# KiCad board 6502.kicad_pcb (continued)
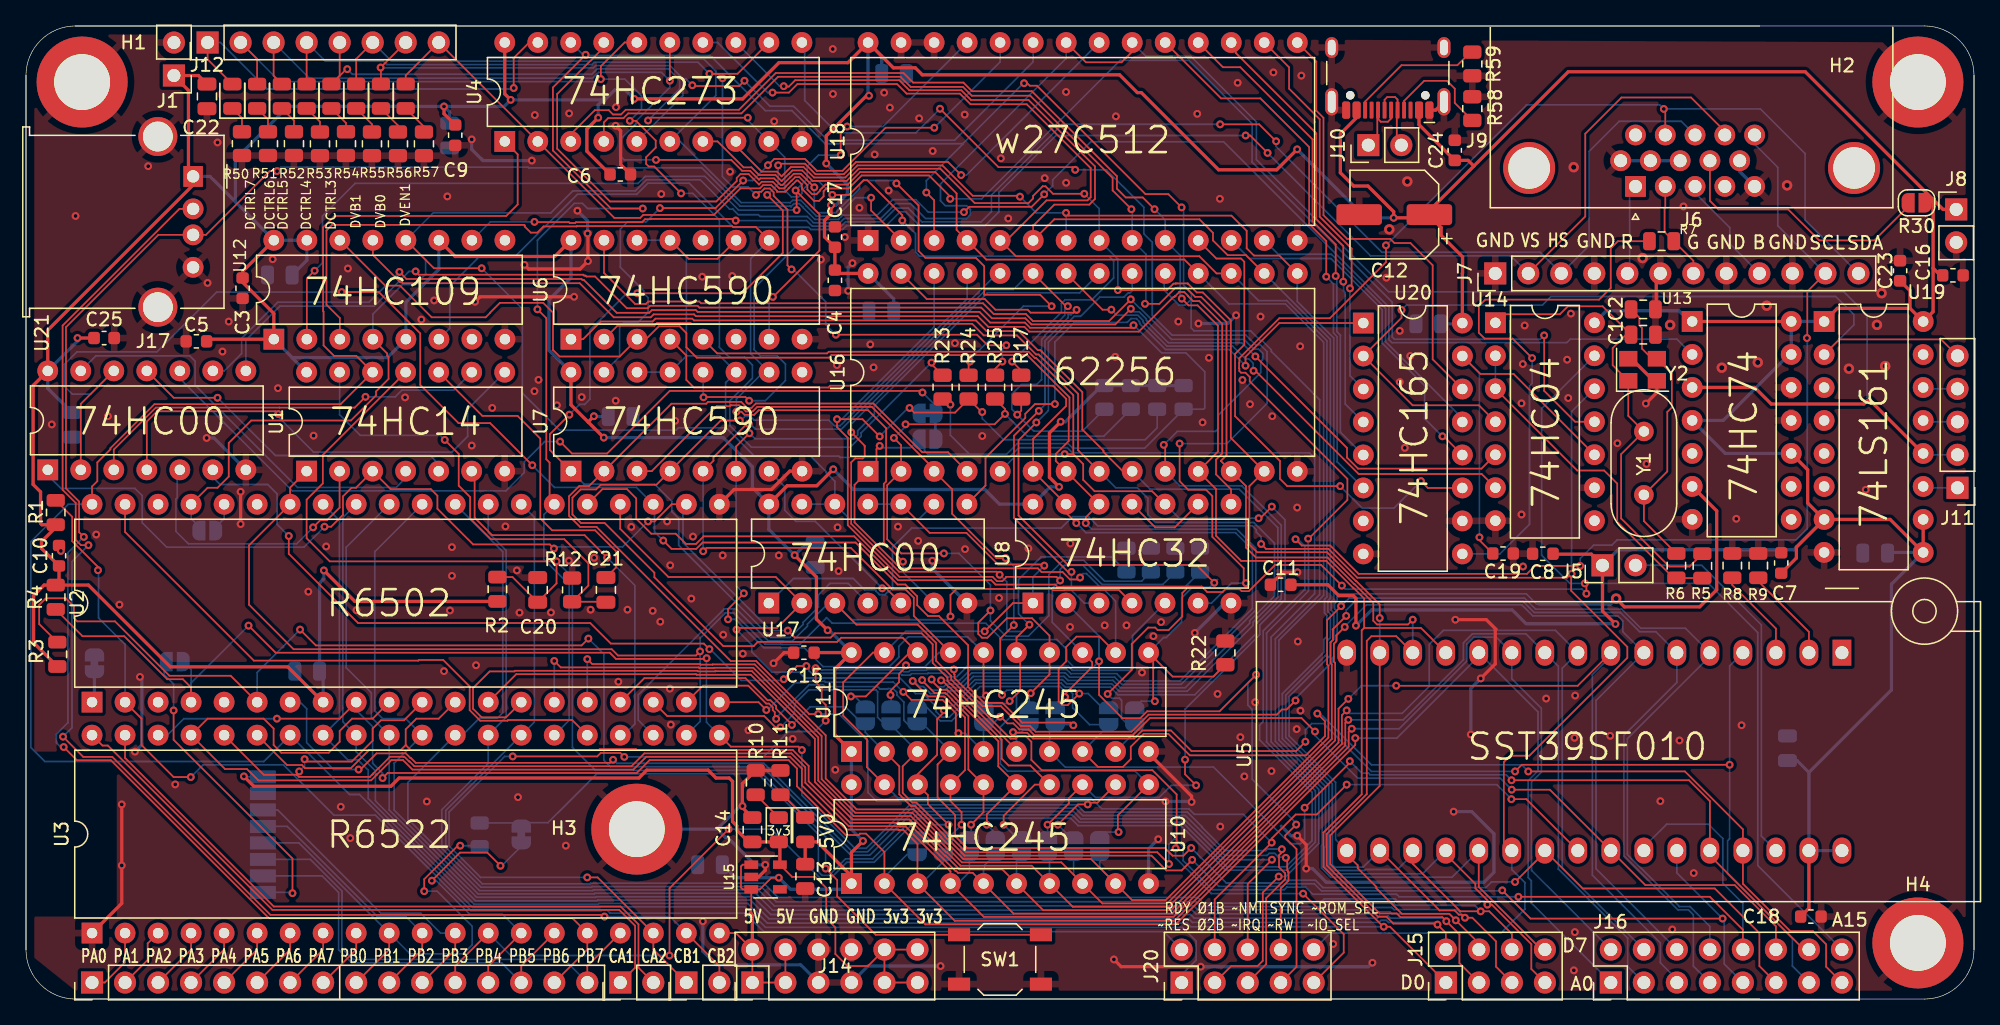
[diagram p0: board, top side]
## Nets
+3V3: 3v3.2 C14.1 J14.9 J14.10 J14.11 J14.12 U9.2 U15.5
+5V: 5V0.2 C3.1 C4.1 C5.1 C6.1 C7.1 C8.1 C9.1 C10.1 C11.1 C12.1 C13.1 C15.1 C16.1 C17.1 C18.1 C22.1 C23.1 C24.1 C25.1 C26.1 C27.1 C28.1 C29.1 C30.1 C31.1 C32.1 C33.1 C34.1 C35.1 C36.1 C37.1 J1.1 J5.1 J8.1 J9.A4 J9.A9 J9.B4 J9.B9 J14.1 J14.2 J14.3 J14.4 J17.1 R1.1 R2.1 R3.1 R4.1 R18.1 R19.1 R20.1 R21.1 R30.1 U1.14 U2.8 U3.20 U4.20 U5.31 U5.32 U6.16 U7.16 U8.14 U10.1 U10.20 U11.1 U11.20 U12.1 U12.5 U12.11 U12.15 U12.16 U13.1 U13.4 U13.10 U13.13 U13.14 U14.14 U15.1 U15.3 U16.28 U17.14 U18.28 U19.1 U19.7 U19.9 U19.10 U19.16 U20.16 U21.14
GND: C1.2 C2.2 C3.2 C4.2 C5.2 C6.2 C7.2 C8.2 C9.2 C10.2 C11.2 C12.2 C13.2 C14.2 C15.2 C16.2 C17.2 C18.2 C19.2 C20.2 C22.2 C23.2 C24.2 C25.2 C26.2 C27.2 C28.2 C29.2 C30.2 C31.2 C32.2 C33.2 C34.2 C35.2 C36.2 C37.2 H1.1 H2.1 H3.1 H4.1 J1.2 J6.5 J6.6 J6.7 J6.8 J6.10 J7.1 J7.4 J7.6 J7.8 J7.10 J8.2 J9.A1 J9.A12 J9.B1 J9.B12 J9.S1 J14.5 J14.6 J14.7 J14.8 J17.4 J17.5 R8.2 R9.2 R10.2 R11.2 R12.2 R13.1 R14.1 R15.1 R16.1 R22.1 R28.1 R50.1 R51.1 R52.1 R53.1 R54.1 R55.1 R56.1 R57.1 R58.2 R59.2 SW1.1 U1.7 U2.21 U3.1 U4.10 U5.16 U6.8 U6.12 U7.8 U8.7 U9.1 U10.10 U11.10 U12.8 U13.7 U13.11 U13.12 U14.7 U14.9 U15.2 U16.14 U17.7 U18.1 U18.14 U18.26 U18.27 U19.8 U20.8 U20.10 U21.7 Y2.2 Y2.4
1Mhz: J11.1 U19.11
2Mhz: J11.2 J20.3 R47.1 U2.37 U6.11 U6.13 U6.14 U7.11 U7.13 U7.14 U12.4 U12.12 U13.3 U17.9 U17.12 U17.13 U18.20 U18.22 U19.12
4Mhz: J11.3 U19.13
8Mhz: J11.4 U19.14
16Mhz: J11.5 U14.4 U19.2 U20.2
A0: J16.1 R31.1 U2.9 U3.38 U5.12 U10.2
A1: J16.2 R32.1 U2.10 U3.37 U5.11 U10.3
A2: J16.3 R33.1 U2.11 U3.36 U5.10 U10.4
A3: J16.4 R34.1 U2.12 U3.35 U5.9 U10.5
A4: J16.5 R35.1 U2.13 U5.8 U10.6
A5: J16.6 R36.1 U2.14 U5.7 U10.7
A6: J16.7 R37.1 U2.15 U5.6 U10.8
A7: J16.8 R38.1 U2.16 U5.5 U10.9
A8: J16.9 R39.1 U2.17 U5.27 U11.2
A9: J16.10 R40.1 U2.18 U5.26 U11.3
A10: J16.11 R41.1 U2.19 U5.23 U11.4
A11: J16.12 R42.1 U2.20 U5.25 U11.5
A12: J16.13 R43.1 U1.3 U2.22 U5.4 U11.6 U21.1
A13: J16.14 R44.1 U2.23 U5.28 U11.7 U21.2 U21.12
A14: J16.15 R45.1 U2.24 U5.29 U11.8 U17.2
A15: J16.16 R46.1 U2.25 U11.9 U14.13
B: J6.3 J7.9
C0: R31.2 U6.15 U10.18 U16.10
C1: R32.2 U6.1 U10.17 U16.9
C2: R33.2 U6.2 U10.16 U16.8
C3: R34.2 U6.3 U8.12 U10.15 U12.14 U16.7
C4: R35.2 U6.4 U8.13 U10.14 U16.6
C5: R36.2 U6.5 U8.10 U10.13 U16.5
C7: U6.7 U12.2 U18.25
C8: U7.15 U18.24
C9: U7.1 U17.4 U18.21
C10: R37.2 U7.2 U10.12 U16.4
C11: R38.2 U7.3 U10.11 U16.3
C12: R39.2 U7.4 U11.18 U16.25
C13: R40.2 U7.5 U11.17 U16.24
C14: R41.2 U7.6 U11.16 U16.21
C15: U7.7 U17.5
CB1: J4.1 U3.18 U13.6
CB2: J4.2 J17.2 U3.19
CTRL3: DCTRL3.2 J12.5 R17.1 U4.9
CTRL4: DCTRL4.2 J12.4 R25.1 U4.12
CTRL5: DCTRL5.2 J12.3 R24.1 U4.15
CTRL6: DCTRL6.2 J12.2 R23.1 U4.16
CTRL7: DCTRL7.2 J12.1 U4.19
D0: J15.1 U2.33 U3.33 U4.3 U5.13 U16.11 U18.10
D1: J15.2 U2.32 U3.32 U4.4 U5.14 U16.12 U18.9
D2: J15.3 U2.31 U3.31 U4.7 U5.15 U16.13 U18.8
D3: J15.4 U2.30 U3.30 U4.8 U5.17 U16.15 U18.7
D4: J15.5 U2.29 U3.29 U4.13 U5.18 U16.16 U18.6
D5: J15.6 U2.28 U3.28 U4.14 U5.19 U16.17 U18.5
D6: J15.7 U2.27 U3.27 U4.17 U5.20 U16.18 U18.4
D7: J15.8 U2.26 U3.26 U4.18 U5.21 U16.19 U18.3
G: J6.2 J7.7 R7.1
HSYNC: J6.13 J7.3 U12.10
MISO: J2.14 U3.15 U9.7
MOSI: J2.16 U3.17 U9.6
PB6: J2.15 J17.3 U3.16 U13.2
R: J6.1 J7.5
RDY: J20.2 R1.2 U2.2
RF_CE: J2.11 U3.12 U9.3
RF_CS: J2.10 U3.11 U9.4
SCL_VGA: J6.15 J7.11 R48.1 R49.2
SDA_VGA: J2.12 J6.12 J7.12 U3.13
SPI_CLK: J2.9 R49.1 U3.10 U9.5
SYNC: J20.8 U2.7
VB0: DVB0.2 J12.7 U4.5 U18.23
VB1: DVB1.2 J12.6 U4.6 U18.2
VEN: DVEN1.2 J12.8 U4.2 U14.11
VIACS1: U1.6 U3.24
VSYNC: J6.14 J7.2 U12.6
~{IO_SEL}: J20.9 U3.23 U8.4 U17.3
~{IRQ}: J20.5 R4.2 R29.2 U2.4 U3.21
~{NMI}: J20.6 R3.2 U2.6
~{RES}: J20.1 U1.12 U2.40 U3.34 U4.1
~{ROM_SEL}: J20.10 U5.22 U14.12 U17.1
~{RW}: J20.7 U1.1 U2.34 U3.22 U8.2
~{VCRST}: U6.10 U7.10 U12.3 U17.6
Ø1: U2.3
Ø1B: J20.4 U5.24 U8.1 U10.19 U11.19 U17.10 U17.11
Ø2: U2.39 U3.25
Net-(3v3-K): 3v3.1 R10.1
Net-(5V0-K): 5V0.1 R11.1
Net-(C1-Pad1): C1.1 R5.2 U14.1 Y1.1 Y2.1
Net-(C2-Pad1): C2.1 R6.2 Y1.2 Y2.3
Net-(C20-Pad1): C20.1 R2.2 SW1.2 U1.11
Net-(C21-Pad1): C21.1 R12.1 U1.13
Net-(C21-Pad2): C21.2 U1.10
Net-(DCTRL3-K): DCTRL3.1 R54.2
Net-(DCTRL4-K): DCTRL4.1 R53.2
Net-(DCTRL5-K): DCTRL5.1 R52.2
Net-(DCTRL6-K): DCTRL6.1 R51.2
Net-(DCTRL7-K): DCTRL7.1 R50.2
Net-(DVB0-K): DVB0.1 R56.2
Net-(DVB1-K): DVB1.1 R55.2
Net-(DVEN1-K): DVEN1.1 R57.2
Net-(J2-Pin_1): J2.1 U3.2
Net-(J2-Pin_2): J2.2 U3.3
Net-(J2-Pin_3): J2.3 U3.4
Net-(J2-Pin_4): J2.4 U3.5
Net-(J2-Pin_5): J2.5 U3.6
Net-(J2-Pin_6): J2.6 U3.7
Net-(J2-Pin_7): J2.7 U3.8
Net-(J2-Pin_8): J2.8 U3.9
Net-(J2-Pin_13): J2.13 R48.2 U3.14
Net-(J3-Pin_1): J3.1 U3.40
Net-(J3-Pin_2): J3.2 U3.39
Net-(J5-Pin_2): J5.2 U5.30
Net-(J6-Pad9): J6.9 R30.2
Net-(J9-CC1): J9.A5 R58.1
Net-(J9-CC2): J9.B5 R59.1
Net-(J10-Pin_1): J9.A6 J9.B6 J10.1
Net-(J10-Pin_2): J9.A7 J9.B7 J10.2
Net-(R5-Pad1): R5.1 R6.1 U14.2 U14.3
Net-(R26-A): R26.1 R27.1 U21.10
Net-(R26-B): R14.2 R20.2 R24.2 R26.2 R44.2 U11.13 U16.26
Net-(R27-B): R13.2 R21.2 R23.2 R27.2 R45.2 U11.12 U16.1 U21.9
Net-(R28-B): R28.2 U2.1
Net-(U1-Pad2): U1.2 U21.5
Net-(U1-Pad4): U1.4 U21.13
Net-(U1-Pad5): U1.5 U21.11
Net-(U1-Pad8): U1.8 U21.4
Net-(U1-Pad9): U1.9 U21.3
Net-(U2-NC/BE): R47.2 U2.36
Net-(U4-Cp): U4.11 U8.6
Net-(U5-A15): R8.1 U5.3
Net-(U5-A16): R9.1 U5.2
Net-(U6-~{RCO}): U6.9 U7.12
Net-(U8-Pad11): U8.9 U8.11
Net-(U9-IRQ): R29.1 U9.8
Net-(U11-B3): R16.2 R17.2 R18.2 R42.2 U11.15 U16.23
Net-(U11-B4): R15.2 R19.2 R25.2 R43.2 U11.14 U16.2
Net-(U11-B7): R22.2 R46.2 U11.11 U16.20
Net-(U12B-~{K}): U8.8 U12.13
Net-(U14-Pad5): U14.5 U21.8
Net-(U16-~{OE}): U14.6 U16.22
Net-(U16-~{WE}): U8.3 U16.27
Net-(U18-D0): U18.11 U20.11
Net-(U18-D1): U18.12 U20.12
Net-(U18-D2): U18.13 U20.13
Net-(U18-D3): U18.15 U20.14
Net-(U18-D4): U18.16 U20.3
Net-(U18-D5): U18.17 U20.4
Net-(U18-D6): U18.18 U20.5
Net-(U18-D7): U18.19 U20.6
Net-(U20-Q7): R7.2 U20.9
Net-(U20-~{CE}): C19.1 U14.10 U20.15
Net-(U20-~{PL}): U17.8 U20.1
Net-(U21-Pad6): U8.5 U21.6

Pads without a net: J6 0 4 11; J9 A8 B8; U2 5 35 38; U5 1; U6 6; U7 9; U12 7 9; U13 5 8 9; U14 8; U15 4; U19 3 4 5 6 15; U20 7

## Via types
v1: diameter 0.6, hole 0.3, Top to Bottom, 522 vias
v2: diameter 0.8, hole 0.4, Top to Bottom, 14 vias

## Routing (per net, layer and track width the routed paths; a pad name or vN(x,y) marks a point on that pad's centre or on a via; arc(x,y) is an arc through that point)
+3V3: length 71.3
  Top w0.13: J14.10 J14.9 J14.11 ; J14.10 J14.12 ; J14.10 64.77,2.54 63.19,2.54 62.26,3.47 62.26,5.51 61.56,6.21 61.56,8.56 60.71,9.41 58.94,9.41 U15.5
  Top w0.25: C14.1 3v3.2 ; U15.5 58,12.01 ; 55.72,11.96 54.68,13.01 54.68,13.34 54.36,13.66 54.36,16.76 54.1,17.02 53.09,17.02 52.48,17.63 47.75,17.63 47.15,17.02 28.7,17.02 28.07,16.38 17.53,16.38 v1(16.76,17.14)
  Bottom w0.13: v1(16.76,17.14) 16.81,17.1 U9.2
+5V: length 735.4
  Top w0.13: U15.1 55.14,10.35 55,10.21 55,8.58 55.14,8.45 U15.3 ; J14.4 J14.3 J14.1 J14.2 54.61,5.08 U3.20 ; 55.88,6.6 55.7,6.6 55.8,6.7 U15.3 ; U15.3 56.46,8.45 57.35,9.34 v1(57.91,9.34)
  Top w0.25: U2.8 20.14,25.58 11.1,25.58 4.8,31.88 R4.1 1.4,31.88 0.58,31.06 0.58,27.43 R3.1 ; C11.1 100.15,31.9 100.99,31.06 102.11,31.06 102.31,30.86 v1(102.31,28.75) ; U5.31 137.16,6.99 C18.1 ; v1(32.16,68.73) 32.16,68.17 C9.1 ; v1(44.02,67.87) 43.15,67 43.15,65.28 C6.1 ; 120.8,33.88 120.43,34.26 117.51,34.26 ; v1(62.1,40.79) 60.84,39.53 58.56,39.53 U17.14 ; v1(43.69,44.88) 43.26,44.45 43.26,44.42 ; 146.71,56.28 146.71,52.93 U19.16 144.93,53.19 ; 146.71,56.28 146.71,61.57 ; 146.71,56.28 147.27,55.73 ; 146.71,61.57 136.87,71.41 118.65,71.41 111.38,64.14 ; 146.71,61.57 147.47,60.81 J8.1 ; 146.71,61.57 146.46,61.31 ; C25.1 v1(3.96,50.9) ; v1(46.79,69.31) 55.13,69.31 57.92,72.11 63.23,72.11 U18.28 66.73,71.71 68.42,71.71 68.95,71.17 84.13,71.17 85.5,69.8 85.8,69.8 91.74,63.86 96.22,63.86 v1(97.79,65.43) ; 60.29,12.1 60.87,12.1 63.5,9.47 ; U4.20 36.83,69.7 v1(37.29,69.24) ; 107.48,60.8 108.87,59.41 108.87,58.8 110.51,57.16 110.51,55.91 110.5,55.89 U20.16 ; 55.7,6.6 55.88,6.43 J14.2 ; 111.38,64.14 107.96,60.72 ; 111.38,64.14 110.94,64.58 C24.1 107.16,67.33 J9.A4 ; U12.16 16.66,56.03 C3.1 16.66,55.19 19.06,52.79 U12.1 14.06,50.81 ; C13.1 5V0.2 ; 144.93,53.19 139.35,53.19 U19.1 ; 144.93,53.19 144.93,54.54 C23.1 ; 12.5,63.7 12.5,69.97 11.38,71.09 ; 102.31,67.93 102.31,67.81 101.11,66.62 101.11,63.63 102.13,62.61 103.23,62.61 105.21,60.63 v1(105.21,60.16) 107.71,60.16 ; 12.85,62.69 1.67,51.5 U21.14 0.55,47.24 0.55,39.62 1.12,39.05 1.12,36.63 1.22,36.53 R1.1 ; 60.64,26.68 U11.20 62.21,25.39 62.21,20.35 U11.1 ; v1(79.47,39.44) 78.73,40.18 78.73,43.59 v1(79.6,44.46) ; U16.28 62.49,55.88 ; 43.26,44.42 41.92,45.76 U7.16 ; 43.26,44.42 v1(44.45,43.23) ; v1(61.56,64.34) 61.56,66.46 64.66,69.56 v1(64.85,69.56) ; v1(61.93,61.13) 61.93,60.45 61.43,59.95 61.43,58.69 C17.1 C4.1 ; U12.11 33.01,57.18 40.68,57.18 U6.16 ; U10.1 63.5,11.28 v1(64.39,12.17) ; U13.10 137.06,40.75 137.06,38.2 U19.7 ; J5.1 121.28,29.88 v1(122.28,28.88) ; v1(59.13,34.18) 60.81,32.5 60.81,29.26 v1(61.67,28.4) ; U19.7 143.41,36.93 U19.9 U19.10 ; U19.7 136.2,34.8 136.2,33.96 C7.1 ; 2.29,36.32 1.19,35.23 1.19,34.7 C10.1 2.54,32.13 ; C22.1 13.27,71.11 J1.1 ; U13.1 U13.14 ; v1(22.91,33.01) 25.3,30.62 R2.1
  Bottom w0.25: C27.1 43.72,44.85 v1(43.69,44.88) ; v1(102.31,28.75) 103.53,29.97 114.33,29.97 115.4,28.9 122.25,28.9 v1(122.28,28.88) ; 20.48,49.39 27.81,49.39 U12.5 29.22,53.66 31.77,56.2 U12.11 ; 20.48,49.39 U12.1 ; 20.48,49.39 20.48,49.37 U1.14 ; C35.1 60.09,35.14 v1(59.13,34.18) 57.14,36.16 U17.14 55.88,39.38 55.88,40.99 53.63,43.23 v1(44.45,43.23) ; C33.1 1.67,47.03 U21.14 3.96,50.66 v1(3.96,50.9) ; v1(61.56,64.34) 63.2,62.71 63.2,62.03 62.3,61.13 v1(61.93,61.13) ; 137.16,17.45 143.51,23.8 143.51,31.95 U19.9 143.26,34.39 ; 137.16,17.45 U5.31 U5.32 ; 137.16,17.45 136.25,18.36 C30.1 ; C31.1 65.83,72.61 U18.28 64.78,69.63 v1(64.85,69.56) ; U16.28 66.75,53.9 C36.1 ; C28.1 21.61,56.88 U12.15 U12.16 16.1,61.39 ; 82.75,47.24 79.97,44.46 v1(79.6,44.46) ; v1(62.1,40.79) 63.66,39.23 73.77,39.23 74.89,38.11 U8.14 78.79,39.44 v1(79.47,39.44) ; U7.16 40.23,49.96 40.23,53.85 41.92,55.54 U6.16 ; 44.3,69.24 44.53,69.24 45.29,70 46.1,70 v1(46.79,69.31) ; U19.7 135.99,34.59 122.47,34.59 J5.1 ; v1(105.21,60.16) 103.06,60.16 v1(97.79,65.43) ; U14.14 121.59,53.01 127.15,53.01 128.08,52.08 ; v1(32.16,68.73) 32.59,68.3 C32.1 ; v1(32.16,68.73) 36.78,68.73 v1(37.29,69.24) 44.4,69.24 44.02,68.86 v1(44.02,67.87) ; v1(32.16,68.73) 20.17,68.73 16.1,64.67 16.1,61.39 ; 16.1,61.39 14.15,63.35 J17.1 ; U13.13 U13.14 138.33,52.17 ; 135.64,49.63 130.56,44.55 U13.4 130.72,42.01 U13.10 ; v1(22.91,33.01) 22.91,32.36 22.58,32.02 C34.1 ; v1(64.39,12.17) 63.5,13.06 U10.20 U11.1 ; 22.86,24.97 U2.8 ; v1(57.91,9.34) 54.56,9.34 C26.1 ; R21.1 R20.1 R18.1 ; v1(61.67,28.4) 61.78,28.4 U11.20 ; C37.1 110.44,51.99
  Bottom w0.254: v1(57.91,9.34) 58.8,8.46 63.07,8.46
GND: length 202.4
  Top w0.25: v1(16.51,36.58) v1(16.51,39.06) ; v1(42.16,54.08) 34.93,54.08 v1(34.55,53.69) ; v1(97.8,12.58) 98.48,11.89 v1(98.48,10.05) ; C11.2 96.69,32.86 v1(97.81,32.86) ; 86.36,18.93 89.67,15.62 v1(89.67,15.18) ; U15.2 56.35,9.4 56.87,9.92 v1(56.87,10.34) ; v1(83.69,3.05) 84.25,2.49 v1(90.37,2.49) ; C15.2 58.32,26.67 v1(57.51,25.86) ; R11.2 R10.2 55.11,16.58 55.11,14.87 v1(55.12,14.86) 55.12,14.73 C14.2 ; v1(45.36,67.25) 45.75,66.86 45.75,64.26 C6.2 ; 2.68,34.78 v1(2.68,34.51) ; v1(7.37,14.99) 7.37,7.37 U3.1 ; J9.A1 108.44,68.45 J9.S1 ; v1(109.96,29.21) 112.35,29.21 113.08,28.47 113.03,28.42 113.03,25.8 v1(111.91,24.69) ; U2.21 54.47,39.23 57.34,39.23 58.76,40.65 U7.8 ; v1(43.21,58.95) 43.23,58.93 v1(43.23,56.82) 42.63,56.22 38.66,56.22 v1(38.35,56.53) ; Y2.2 125.46,46.71 v1(124.61,45.86) ; 52.07,6.1 v1(52.07,5.99) ; 125.41,55.56 125.41,53.17 ; 125.21,47.61 123.51,49.31
  Bottom w0.25: v1(63.25,54.53) 63.25,56.34 v1(63.58,56.67) ; U17.7 69.72,33.15 v1(69.72,33.75) ; v1(87.1,12.31) 86.36,11.57 U10.10 ; U21.7 14.46,43.2 v1(13.9,43.2) ; v1(111.91,24.69) 111.15,23.92 v1(111.15,20.37) ; v1(43.21,58.95) 43.21,59.92 v1(42.42,60.71) ; v1(109.83,14.43) 111.23,14.43 112.93,12.73 112.93,9.75 112.16,8.99 100.03,8.99 98.97,10.05 v1(98.48,10.05) ; v1(38.91,64.57) 35.16,64.57 34.29,65.43 v1(34.29,66.2) ; v1(103.58,2.79) 103.28,2.49 v1(90.37,2.49) ; v1(87.67,15.22) 89.63,15.22 v1(89.67,15.18) ; 53.34,13.08 53.34,13.25 54.95,14.86 v1(55.12,14.86) ; 53.34,13.08 H3.1 ; 53.34,13.08 53.43,12.99 53.43,12.82 53.79,12.45 53.97,12.45 56.08,10.34 v1(56.87,10.34) ; J14.5 59.59,2.64 53.12,2.64 52.07,3.68 v1(52.07,5.99) ; v1(97.8,12.58) 97.3,12.58 96.57,13.31 ; v1(90.2,52.02) 92.46,52.02 v1(93.09,52.65) ; v1(8.76,24.81) 8.91,24.66 8.91,19.58 v1(8.38,19.05) ; v1(89.92,28.19) 92.21,30.49 ; J6.10 131.83,63.72 J6.5 ; v1(70.36,2.54) 64.77,2.54 J14.7 ; J6.6 J6.7 J6.8 ; v1(7.37,14.99) 7.49,14.86
  vias: v1(1.98,44.25) v1(3.81,60.3) v1(5.4,35.77) v1(6.3,44.88) v1(7.19,30.37) v1(7.37,10.29) v1(9.4,64.14) v1(11.48,16.53) v1(13.97,55.14) v1(14.73,65.96) v1(15.11,49.86) v1(15.6,52.17) v1(18.98,56.97) v1(19.38,47.04) v1(21.72,31.37) v1(22.13,43.38) v1(23.09,34.85) v1(24.21,14.81) v1(24.76,56.26) v1(24.94,12.39) v1(25.42,29.94) v1(29.16,46.33) v1(30.41,52.32) v1(30.84,15.21) v1(31.4,53.8) v1(32.16,25.25) v1(32.41,61.81) v1(32.61,29.92) v1(32.77,34.8) v1(32.77,32.59) v1(34.29,42.62) v1(34.62,25.7) v1(35.86,45.52) v1(36.88,36.4) v1(37.76,33.01) v1(37.85,15.54) v1(37.96,29.76) v1(39.11,46.81) v1(39.14,68.07) v1(39.43,47.68) v1(40.39,29.77) v1(40.84,45.72) v1(41.53,11.81) v1(41.78,68.2) v1(41.76,33.76) v1(42.75,46.35) v1(43.43,29.98) v1(43.7,33.98) v1(45.39,68.68) v1(45.37,46.07) v1(45.57,24.43) v1(46.27,29.98) v1(46.56,36.36) v1(48.21,29.89) v1(48.8,29.06) v1(48.87,61.99) v1(49.32,36.78) v1(49.56,33.4) v1(49.53,23.9) v1(49.61,21.13) v1(49.94,44.52) v1(51.18,30.83) v1(51.31,35.61) v1(52.02,55.62) v1(53.59,34.16) v1(53.64,28.05) v1(54.16,63.71) v1(54.33,55.68) v1(55.15,26.59) v1(55.58,20.7) v1(57.56,67.59) v1(57.91,34.16) v1(58.97,20.03) v1(61.15,56.94) v1(62.06,73.16) v1(62.08,69.7) v1(62.26,17.65) v1(62.38,48.82) v1(62.43,36.32) v1(62.51,32.96) v1(62.99,58.67) v1(64.11,60.93) v1(64.95,50.41) v1(65.2,48.64) v1(65.29,65.04) v1(66.02,69.8) v1(66.36,62.26) v1(66.46,68.64) v1(67.08,36.38) v1(68.71,67.82) v1(68.63,35.28) v1(69.75,65.3) v1(71.46,50.51) v1(72.21,68.11) v1(72.24,34.64) v1(73.56,43.36) v1(74.86,30.88) v1(75,64.74) v1(75.56,60.11) v1(77.11,34.7) v1(78.37,63.21) v1(80.01,69.85) v1(80.01,62.86) v1(80.34,35.08) v1(80.32,28.65) v1(82.98,28.78) v1(83.8,49.45) v1(83.85,67.97) v1(84.66,28.78) v1(85.85,25.14) v1(86.73,27.94) v1(87.32,29.03) v1(88.65,52.17) v1(90.11,68.16) v1(90.51,44.41) v1(91,49.38) v1(91.67,23.49) v1(91.85,61.62) v1(91.87,13.28) v1(93.21,70.56) v1(93.42,20.17) v1(93.58,47.67) v1(93.73,17.14) v1(94.16,45.81) v1(94.56,22.86) v1(94.97,52.55) v1(95.87,44.88) v1(95.81,17.56) v1(95.96,71.36) v1(97.79,37.85) v1(97.75,20.79) v1(97.84,27.53) v1(98.11,71.11) v1(98.02,50.26) v1(98.04,22.2) v1(100.56,4.24) v1(104.66,55.55) v1(105.68,51.45) v1(105.68,47.51) v1(106.07,42.44) v1(106.49,49.52) v1(115.05,45.87) v1(115.05,37.31) v1(115.15,48.9) v1(115.16,33.31) v1(115.29,51.87) v1(116.94,23.14) v1(118.56,49.23) v1(118.64,46.28) v1(118.85,52.78) v1(119.08,2.21) v1(119.18,23.37) v1(119.13,20.12) v1(119.15,5.15) v1(121.87,20.27) v1(122.43,42.8) v1(124.66,41.21) v1(125.73,15.24) v1(126.65,5.36) v1(127.2,19.91) v1(127.51,61.03) v1(128.3,9.7) v1(131.57,36.98) v1(131.98,21.08) v1(141.53,39.22) v2(104.88,59.27) v2(106.26,62.96) v2(119.06,64.06) v2(124.36,57.06) v2(126.48,51.91) v2(130.46,48.61) v2(133.22,49.02) v2(133.91,53.39) v2(135.48,62.66) v2(140.24,48.54) v2(142.39,51.92) v2(142.75,54.35) v2(143.03,48.74)
1Mhz: length 2.5
  Bottom w0.13: 146.05,39.37 J11.1
2Mhz: length 393.1
  Top w0.13: U12.12 31.38,56.27 v1(35.05,56.27) ; U6.13 50.98,57 53.19,57 U6.11 ; U12.4 27.79,49.71 27.79,49.53 27.89,49.43 27.89,47.75 26.93,46.79 26.93,46.48 25,44.55 17.32,44.55 15.6,42.82 15.6,40.23 14.73,39.37 13.97,39.37 U2.37 ; 85.1,72.96 84.28,72.13 81.54,72.13 U18.22 ; v1(96.37,9.43) 95.14,8.2 95.14,2.94 94.74,2.54 92.72,2.54 J20.3
  Top w0.25: U19.12 141.89,46.07 141.63,46.07 141.38,45.82 134.27,45.82 132.99,47.09 U13.3
  Bottom w0.13: 53.83,44 53.83,47.47 U7.11 53.36,49.53 50.81,49.53 ; 13.37,36.32 12.7,36.99 U2.37 ; 50.81,49.53 50.81,57.17 U6.13 U6.14 ; 50.81,49.53 U7.13 U7.14 ; 56.07,41.81 62.52,41.81 62.62,41.71 75.64,41.71 76.39,42.46 80.11,42.46 80.51,42.06 98.73,42.06 99.13,41.66 99.13,31.22 95.79,27.87 95.79,19.81 99.45,16.14 99.45,11.98 96.91,9.43 v1(96.37,9.43) ; U18.22 80.02,72.44 70.35,62.77 70.35,61.47 70.73,61.09 72.36,61.09 72.65,60.8 72.65,60.39 72.36,60.1 69.21,60.1 68.05,61.26 66.89,61.26 66.59,60.96 66.59,60.94 65.76,60.1 62.93,60.1 62.6,59.77 60.59,59.77 60.1,60.26 56.48,60.26 56.34,60.39 54.81,60.39 54.37,60.83 54.12,60.83 51.87,63.09 47.74,63.09 46.88,62.23 42.07,62.23 40.37,60.53 31.33,60.53 U12.12 30.74,56.91 30.74,55.83 29.92,55.01 28.96,55.01 26.69,52.74 U12.4 ; 146.05,41.91 J11.2 ; U18.20 86.15,72.61 89.59,72.61 94.65,67.54 94.65,64.63 104.83,54.46 139.85,54.46 141.63,52.68 141.63,46.33 U19.12 ; v1(35.05,56.27) 38.19,53.13 38.19,46.66 41.05,43.8 50.01,43.8 50.2,43.99 53.85,43.99 56.05,41.8 60.36,41.8 61.54,40.62 61.54,40.56 62.23,39.87 U17.12 ; U17.9 68.69,36.95 63.38,36.95 U17.12 ; U17.12 U17.13
4Mhz: length 2.5
  Bottom w0.13: 146.05,44.45 J11.3
8Mhz: length 2.5
  Bottom w0.13: 146.05,46.99 J11.4
16Mhz: length 68.1
  Top w0.13: v1(105.82,53.06) 105.82,52.45 U20.2 106.67,45.72 111.77,45.72 U14.4 ; U19.2 139.5,50.8 147.32,50.8 J11.5
  Bottom w0.13: U19.2 140.62,51.92 140.62,52.7 139.22,54.1 117.32,54.1 116.66,53.44 106.2,53.44 v1(105.82,53.06)
A0: length 156.4
  Top w0.13: v1(27.43,17.02) 27.82,17.41 46.98,17.41 47.97,18.4 58.66,18.4 59.31,17.75 59.31,16.38 63.06,12.63 64.05,12.63 64.16,12.74 64.62,12.74 66.04,11.32 U10.2 69.18,5.75 88.44,5.75 102.26,19.57 v1(102.26,20.1) ; U2.9 24.13,21.59 v1(19.3,21.59)
  Bottom w0.13: v1(19.3,21.59) 12.14,21.59 10.87,20.32 ; 66.04,9.39 67.77,11.12 68.54,11.12 ; v1(102.26,20.1) 105.47,20.1 111.76,26.39 ; 25.4,22.25 26.67,20.98 26.67,18.15 27.43,17.38 v1(27.43,17.02) ; J16.1 115.8,7.39 115.8,9.12 115.56,9.36 115.56,16.81 116.32,17.58 116.32,22.11 U5.12
A1: length 172.4
  Top w0.13: U2.10 26.67,21.59 25.08,21.59 24.13,20.64 24.13,19.81 23.28,18.96 19.64,18.96 19.05,19.56 19.05,20.83 18.29,21.59 13.97,21.59 U3.37 15.31,17.71 17,17.71 17.87,16.84 26.55,16.84 26.95,17.24 26.95,17.24 27.24,17.53 27.25,17.53 28.11,18.4 29,18.4 29.73,17.67 46.73,17.67 47.72,18.66 58.77,18.66 59.69,17.74 59.69,16.45 63.09,13.05 67.1,13.05 67.11,13.04 67.12,13.04 67.13,13.03 67.14,13.03 67.15,13.03 67.16,13.03 67.16,13.02 67.25,13.03 67.36,13.03 67.37,13.03 67.48,13.03 68.58,11.94 U10.3 71.45,6.02 88.35,6.02 101.75,19.43 101.75,20.58 v1(101.99,20.81)
  Bottom w0.13: R32.1 70.56,10.56 68.89,8.89 ; v1(101.99,20.81) 105.64,20.81 110.85,26.02 110.85,27.33 111.38,27.86 113.11,27.86 U5.11 114.3,24.66 116.58,22.39 116.58,17.47 115.82,16.71 115.82,9.91 J16.2
A2: length 166.4
  Top w0.13: 20.83,17.27 18.29,17.27 U3.36 ; 20.83,17.27 20.83,17.33 v1(21.02,17.53) ; 20.83,17.27 20.99,17.11 26.45,17.11 26.69,17.34 26.69,17.35 27.13,17.79 27.14,17.79 28.01,18.66 29.04,18.66 29.05,18.66 29.1,18.66 29.47,18.3 29.51,18.3 29.87,17.93 46.58,17.93 47.57,18.92 58.88,18.92 59.95,17.85 59.95,16.66 63.3,13.31 67.21,13.31 67.22,13.3 67.23,13.3 67.24,13.29 67.25,13.29 67.25,13.29 67.34,13.29 67.45,13.29 67.46,13.3 67.65,13.3 71.12,9.83 U10.4 73.69,6.32 88.28,6.32 101.49,19.53 101.49,21.26 v1(101.73,21.5) ; U2.11 29.08,21.46 27.31,21.46 26.67,20.83 26.67,19.89 25.06,18.29 21.61,18.29 v1(21.43,18.47)
  Bottom w0.13: v1(21.43,18.47) 21.43,17.94 v1(21.02,17.53) ; v1(101.73,21.5) 105.95,21.5 110.59,26.13 110.59,27.44 111.27,28.12 115.39,28.12 U5.10 117.88,25.63 117.88,10.01 122.56,5.33 122.57,5.33 123.22,4.69 123.22,2.51 J16.3 ; R33.1 72.57,9.78 71.68,8.89
A3: length 157.2
  Top w0.13: 29.21,19.56 29.21,20.77 30.03,21.59 31.75,21.59 U2.12 ; 29.21,19.56 29.59,19.18 44.07,19.18 44.15,19.25 46.92,19.25 46.99,19.18 58.99,19.18 60.21,17.95 60.21,16.76 63.41,13.57 67.32,13.57 67.33,13.56 67.34,13.56 67.34,13.55 67.43,13.56 67.54,13.56 67.55,13.57 67.86,13.57 69.37,12.05 69.37,12 69.38,11.99 69.38,11.98 71.51,9.85 71.57,9.85 71.7,9.72 72.83,9.72 U10.5 75.97,6.58 88.17,6.58 101.23,19.64 101.23,21.86 v1(101.6,22.22) ; 29.21,19.56 28.83,19.18 26.39,19.18 24.99,17.78 21.46,17.78 21.22,18.02 20.08,18.02 U3.35
  Bottom w0.13: R34.1 73.76,10.32 73.76,10.03 73.66,9.93 U10.5 ; J16.4 121.66,6.61 121.65,6.61 118.19,10.07 118.19,25.48 U5.9 117.67,28.38 109.03,28.38 107.95,27.31 107.95,24.08 105.87,21.99 101.83,21.99 v1(101.6,22.22)
A4: length 136.5
  Top w0.13: v1(101.73,23.11) 100.97,22.36 100.97,19.75 88.07,6.84 78.25,6.84 U10.6 75.11,9.98 71.81,9.98 71.81,9.98 70.75,11.04 70.69,11.04 69.64,12.09 69.64,12.1 69.63,12.11 69.63,12.16 67.96,13.83 63.58,13.83 60.69,16.71 60.69,20.04 55.75,24.97 51.59,24.97 51.54,25.02 37.72,25.02 U2.13 ; v1(105.41,24.13) 105.42,24.12 119.37,24.12 U5.8
  Bottom w0.13: 127,1.52 125.73,2.79 125.73,4.32 120.5,9.55 120.5,24.97 121.92,26.39 ; 76.2,10.75 U10.6 ; v1(105.41,24.13) 102.74,24.13 v1(101.73,23.11)
A5: length 151.7
  Top w0.13: v1(101.45,28.65) 100.8,28 100.8,27.54 100.61,27.36 100.61,25.98 100.71,25.88 100.71,19.92 87.9,7.1 80.53,7.1 U10.7 77.37,10.26 71.89,10.26 71.84,10.32 70.86,11.3 70.8,11.3 69.9,12.2 69.9,12.21 69.89,12.22 69.89,12.26 68.07,14.09 63.68,14.09 60.95,16.82 60.95,20.14 55.85,25.25 53.04,25.25 53.03,25.23 51.69,25.23 51.65,25.28 37.61,25.28 37.56,25.23 35.67,25.23 34.39,23.95 34.39,22.35 35.05,21.69 36.93,21.69 U2.14
  Bottom w0.13: v1(101.45,28.65) 101.45,28.69 103.12,30.36 115.06,30.36 115.91,29.5 122.45,29.5 122.84,29.11 122.84,28.29 U5.7 120.78,22.99 120.78,10.03 J16.6 ; 78.74,10.98 U10.7
A6: length 148.6
  Top w0.13: v1(101.56,29.5) 100.52,28.46 100.54,28.43 100.54,27.65 100.36,27.47 100.36,25.87 100.45,25.78 100.45,20.03 87.79,7.36 82.81,7.36 U10.8 79.65,10.52 72,10.52 70.96,11.56 70.91,11.56 70.16,12.31 70.16,12.32 70.15,12.32 70.15,12.37 68.18,14.35 63.79,14.35 61.21,16.93 61.21,20.25 55.95,25.51 52.94,25.51 52.92,25.49 51.8,25.49 51.76,25.54 41.14,25.54 v1(40.64,26.03)
  Bottom w0.13: U2.15 v1(40.64,26.03) ; U10.8 80.6,9.57 R37.1 ; v1(101.56,29.5) 101.56,29.95 102.23,30.62 115.17,30.62 116.02,29.76 122.65,29.76 124.13,28.29 125.38,28.29 U5.6 127,24.38 122.93,20.31 122.93,11.02 127.09,6.86 127.9,6.86 128.27,6.49 128.27,2.54 J16.7
A7: length 147.2
  Top w0.13: v1(43.18,26.18) 43.56,25.8 51.86,25.8 51.91,25.75 52.81,25.75 52.83,25.77 56.06,25.77 61.52,20.31 61.52,16.98 63.9,14.61 68.29,14.61 70.41,12.48 70.41,12.43 70.42,12.42 70.42,12.41 71.01,11.82 71.07,11.82 72.11,10.78 81.93,10.78 U10.9 85.09,7.62 87.68,7.62 100.2,20.13 100.2,25.67 100.1,25.77 100.1,29.18 v1(101.17,30.25)
  Bottom w0.13: U10.9 82.6,10.11 R38.1 ; v1(101.17,30.25) 101.79,30.88 115.28,30.88 116.13,30.02 122.76,30.02 124.23,28.55 127.66,28.55 U5.5 ; J16.8 129.54,5.59 128.01,7.12 127.2,7.12 123.19,11.13 123.19,20.04 129.54,26.39 ; U2.16 v1(43.18,26.18)
A8: length 109.1
  Top w0.13: v1(130.52,6.2) 115.74,6.2 v1(113.57,8.37) ; U2.17 47.57,24.71 55.35,24.71 57.05,23.01 57.26,23.01 57.71,22.57 57.71,22.35 58.92,21.14 v1(58.92,21.11) ; U11.2 67.18,17.92 67.18,15.76 68.08,14.86 68.39,14.86 70.68,12.58 70.68,12.52 71.12,12.08 71.18,12.08 72.21,11.04 86.59,11.04 87.73,9.9 88.9,9.9 v1(89.71,10.72)
  Bottom w0.13: v1(58.92,21.11) 60.32,22.5 63.03,22.5 64.34,21.19 ; U5.27 127,9.71 v1(130.52,6.2) 130.65,6.07 130.65,2.7 J16.9 ; R39.1 64.57,20.53 U11.2 ; v1(113.57,8.37) 113.52,8.32 99.66,8.32 99.11,8.88 96.89,8.88 96.68,8.68 91.76,8.68 v1(89.71,10.72)
A9: length 119.2
  Top w0.13: v1(87.93,10.4) 87.03,11.3 72.32,11.3 71.29,12.34 71.23,12.34 70.94,12.63 70.94,12.69 68.5,15.12 68.19,15.12 67.44,15.87 67.44,17.92 U11.3 ; U2.18 49.33,21.79 56.79,21.79 57.67,20.92 v1(58.03,20.92) ; J16.10 132.08,5.33 129.54,7.87 v1(114.81,7.87)
  Bottom w0.13: 124.46,11.71 126.21,13.46 129.43,13.46 130.54,12.35 130.54,8.91 132.08,7.37 J16.10 ; v1(114.81,7.87) 105.64,7.87 105.45,8.06 99,8.06 98.44,8.62 97,8.62 96.79,8.42 91.26,8.42 89.01,10.67 89.01,11.74 88.45,12.31 88.31,12.31 87.93,11.92 v1(87.93,10.4) ; 66.01,21.19 65.51,21.69 65.51,23.64 65.51,23.65 65.51,23.68 65.39,23.8 60.21,23.8 59.13,22.71 59.13,22.01 v1(58.03,20.92) ; 66.55,21.09 U11.3
A10: length 105.8
  Top w0.13: J16.11 133.35,2.54 133.35,5.08 129.92,8.51 119.76,8.51 U5.23 ; v1(114.55,9.02) 116.84,11.3 ; v1(57.71,21.57) 57.6,21.68 57.6,22.09 57.45,22.25 57.45,22.46 57.16,22.75 56.94,22.75 55.56,24.13 52.07,24.13 U2.19 ; U11.4 70.13,18.07 70.13,15.52 71.48,14.17 71.48,12.55 72.4,11.63 87.62,11.63 88.2,11.04 89.05,11.04 v1(89.64,11.63)
  Bottom w0.13: v1(89.64,11.63) 92.33,8.94 96.58,8.94 96.78,9.14 99.21,9.14 99.77,8.58 112.31,8.58 112.74,9.02 v1(114.55,9.02) ; 69,21.18 U11.4 ; v1(57.71,21.57) 57.71,21.66 60.25,24.2 61.32,24.2 61.47,24.06 65.5,24.06 65.69,23.87 66.27,23.87 66.3,23.91 66.71,23.91 67,23.62 67,23.4 67.54,22.86 67.54,21.46 67.82,21.18 R41.1
A11: length 96.8
  Top w0.13: v1(74.93,21.74) 74.98,21.74 75.49,21.23 75.95,21.23 76.42,20.76 77.13,20.76 77.57,20.32 85.15,20.32 86.47,21.64 98.12,21.64 v1(99.16,20.6) ; v1(56.95,22.26) 56.35,22.86 U2.20 ; v1(71.73,20.47) 71.53,20.67 71.53,22.02 70.51,23.04 68.11,23.04 v1(67.49,23.66) ; v1(114.3,16.12) 117.23,16.12 U5.25 124.58,8.77 131.45,8.77 134.62,5.6 J16.12
  Bottom w0.13: v1(67.49,23.66) 67.47,23.66 66.71,24.41 61.49,24.41 61.43,24.46 60.11,24.46 60.01,24.36 59.15,24.36 57.05,22.26 v1(56.95,22.26) ; v1(114.3,16.12) 113.41,17.01 102.45,17.01 99.16,20.29 v1(99.16,20.6) ; v1(71.73,20.47) 72.25,20.47 U11.5 73.66,21.1 ; v1(74.93,21.74) 74.32,21.13
A12: length 187.6
  Top w0.13: v1(131.06,18.04) 115.07,18.04 v1(114.55,17.53) ; v1(47.86,36.78) 48.35,36.78 49.67,38.1 U2.22 ; v1(75.93,20.55) 75.98,20.5 77.02,20.5 77.46,20.06 85.26,20.06 85.88,20.68 88.08,20.68 89.67,19.1 97.71,19.1 v1(98.42,19.81) ; v1(58.61,28.37) 59.15,27.83 61.91,27.83 62.24,28.16 68.9,28.16 69.75,27.32 69.75,25.88 70.89,24.74 70.89,24.5 71.11,24.27 71.14,24.27 72.04,23.38 72.04,23.35 76.2,19.19 ; v1(22.96,36.37) 23.47,36.37 24.39,37.29 24.39,38.71 25.05,39.37 25.38,39.37 U1.3 28.05,39.27 31.14,39.27 31.65,38.76 31.65,37.75 34.4,35.01 40.3,35.01 v1(40.61,34.69)
  Bottom w0.13: 50.54,37.84 50.54,35.14 57.31,28.37 v1(58.61,28.37) ; v1(47.86,36.78) 45.89,34.82 40.74,34.82 v1(40.61,34.69) ; J16.13 135.89,2.54 135.89,4.66 130.91,9.64 130.91,12.2 131.06,12.35 v1(131.06,18.04) 131.06,25.65 U5.4 ; 1.67,40.34 2.69,39.32 8.38,39.32 8.94,38.76 8.94,36.68 10.82,34.8 21.39,34.8 v1(22.96,36.37) ; U11.6 76.2,20.28 v1(75.93,20.55) 76.59,20.55 R43.1 ; v1(98.42,19.81) 98.42,20.73 98.91,21.21 99.82,21.21 103.51,17.53 v1(114.55,17.53)
A13: length 191.7
  Top w0.13: 136.78,3.81 129.67,10.92 ; 4.21,40.75 4.21,45.83 U21.12 ; v1(98.36,14.73) 98.38,14.73 101.84,18.19 v1(101.84,18.32) ; v1(114.28,16.85) 127.93,16.85 129.54,15.24 U5.28 ; v1(80.57,21.08) 80.37,21.28 76.63,21.28 75.1,22.81 73.7,22.81 72.48,24.04 72.48,27.24 70.23,29.5 69.39,29.5 68.56,30.33 68.56,31.01 67.65,31.92 67.05,31.92 63.82,35.15 52.05,35.15 51.56,34.66 49.66,34.66 v1(49.02,35.3) ; v1(38.95,41.11) 35.71,44.35 33.28,44.35 30.33,47.29 30.33,51.26 27.14,54.44 v1(24.28,54.44)
  Bottom w0.13: U2.23 46.96,39.4 40.66,39.4 v1(38.95,41.11) ; U21.12 4.97,46.58 3.56,46.58 2.95,47.19 2.95,48.87 3.91,49.83 10.06,49.83 14.67,54.44 v1(24.28,54.44) ; v1(101.84,18.32) 102.77,17.39 103.27,17.39 103.4,17.27 113.87,17.27 v1(114.28,16.85) ; v1(49.02,35.3) 48.35,35.98 48.35,38.01 ; v1(98.36,14.73) 98.36,12.28 98.05,11.96 97.25,11.96 91.35,17.87 79.93,17.87 U11.7 78.74,20.7 R44.1 80.52,21.13 v1(80.57,21.08)
A14: length 137.8
  Top w0.13: v1(54.66,28.45) 54.79,28.57 57.77,28.57 U17.2 57.68,32.5 49.42,32.5 45.71,36.21 45.71,37.74 ; J16.15 138.48,2.49 138.48,4.22 137.46,5.23 135.72,5.23 132.08,8.88 U5.29 132.08,13.07 127.62,17.53 v1(115.57,17.53) ; U11.8 82.46,17.88 84.39,17.88 84.99,18.48 84.99,19.43 85.98,20.42 87.88,20.42 89.53,18.77 98.46,18.77 99.94,20.24 99.94,21.39 v1(99.34,21.98)
  Bottom w0.13: v1(115.57,17.53) 115.06,18.03 103.51,18.03 99.57,21.97 99.35,21.97 v1(99.34,21.98) ; 83.29,21.07 U11.8 ; R45.1 81.82,21.13 80.52,22.43 80.52,23.52 80.28,23.76 79.84,23.76 79.53,24.07 73.4,24.07 71.05,21.72 70.43,21.72 70,22.14 70,22.53 69.01,23.52 68.43,23.52 67.23,24.72 59.94,24.72 59.49,25.17 57.39,25.17 55.84,26.73 55.84,27.27 v1(54.66,28.45)
A15: length 166.1
  Top w0.13: 89.45,31.76 90.45,31.76 90.87,31.34 92.05,31.34 92.26,31.56 93.37,31.56 93.52,31.41 94.07,31.41 96.09,33.42 99.64,33.42 v1(101.23,31.83) ; 89.45,31.76 88.95,31.27 88.95,29.46 87.9,28.41 87.06,28.41 86.87,28.61 86.33,28.61 85.07,27.34 85.07,25.35 v1(83.21,23.49) ; 89.45,31.76 79.78,31.76 79.76,31.74 79.35,31.74 79.17,31.92 74.59,31.92 74.26,32.25 67.09,32.25 63.71,35.63 52.13,35.63 51.54,35.04 50.77,35.04 49.98,35.83 48.1,35.83 46.94,36.99 46.94,38.56 46.23,39.27 44.35,39.27 U2.25 ; v1(120.04,31.21) 120.04,31.89 v1(119.92,32)
  Bottom w0.13: v1(101.23,31.83) 101.5,31.57 119.69,31.57 v1(120.04,31.21) ; 84.76,21.13 84.28,21.61 84.28,23.01 84.12,23.17 83.54,23.17 v1(83.21,23.49) ; U14.13 116.6,45.48 116.6,34.17 118.76,32 v1(119.92,32) 129.44,32 133.22,28.22 133.22,10.29 J16.16 ; U11.9 85.29,20.53 R46.1
B: length 8.3
  Bottom w0.13: 128.35,62.13 131.07,59.4 131.07,58.16 J7.9
C0: length 131.7
  Top w0.13: v1(70.97,13.43) 69.38,15.01 69.38,15.71 U10.18 68.58,17.29 70.09,18.81 70.09,21.56 70.61,22.07 v1(70.61,22.24) ; v1(84.99,53.88) 83.32,52.21 77.46,52.21 76.92,52.75 74.44,52.75 73.62,53.57 51.94,53.57 51.8,53.71 47.87,53.71 47.69,53.52 46.86,53.52 44.47,55.92 U6.15 ; U16.10 87.64,42.56 v1(87.53,42.67)
  Bottom w0.13: 68.7,12.41 69.71,13.43 v1(70.97,13.43) ; U16.10 88.75,39.52 93.53,39.52 96.57,36.49 96.57,30.82 94.66,28.92 94.66,28.17 89.91,23.43 84,23.43 83.41,24.02 79.95,24.02 79.64,24.33 73.1,24.33 71.73,22.96 71.73,22.93 71.38,22.58 70.94,22.58 v1(70.61,22.24) ; v1(87.53,42.67) 88.56,43.71 91.5,43.71 91.73,43.94 91.73,44.98 94.99,48.23 94.99,49.1 95.14,49.25 95.14,49.72 94.81,50.05 94.46,50.05 93.71,50.79 88.13,50.79 85.75,53.18 85.7,53.18 v1(84.99,53.88)
C1: length 116.3
  Top w0.13: U6.1 42.86,50.81 44.22,52.17 48.2,52.17 48.42,52.39 51.25,52.39 51.39,52.26 73.08,52.26 73.9,51.43 76.37,51.43 77.84,49.96 78.04,49.96 78.14,49.86 81.26,46.74 81.26,43.85 82.89,42.23 82.89,42.13 84.38,40.64 ; v1(71.97,13.43) 71.97,14.39 71.12,15.24 U10.17 72.24,17.63 72.24,21.68 71,22.92 71,22.95 70.71,23.24 70.68,23.24 70.62,23.3 69.4,23.3 v1(68.22,24.49)
  Bottom w0.13: v1(71.97,13.43) 70.96,12.41 ; U16.9 86.47,39.26 93.34,39.26 96.31,36.29 96.31,30.93 94.4,29.02 94.4,28.77 89.33,23.7 84.1,23.7 83.52,24.28 80.06,24.28 79.75,24.59 72.99,24.59 72.12,23.72 71.04,23.72 70.84,23.52 69.58,23.52 69.03,24.07 68.73,24.07 68.31,24.49 v1(68.22,24.49)
